# Altium PCB PCB.PcbDoc (part 9 of 10) (continued)
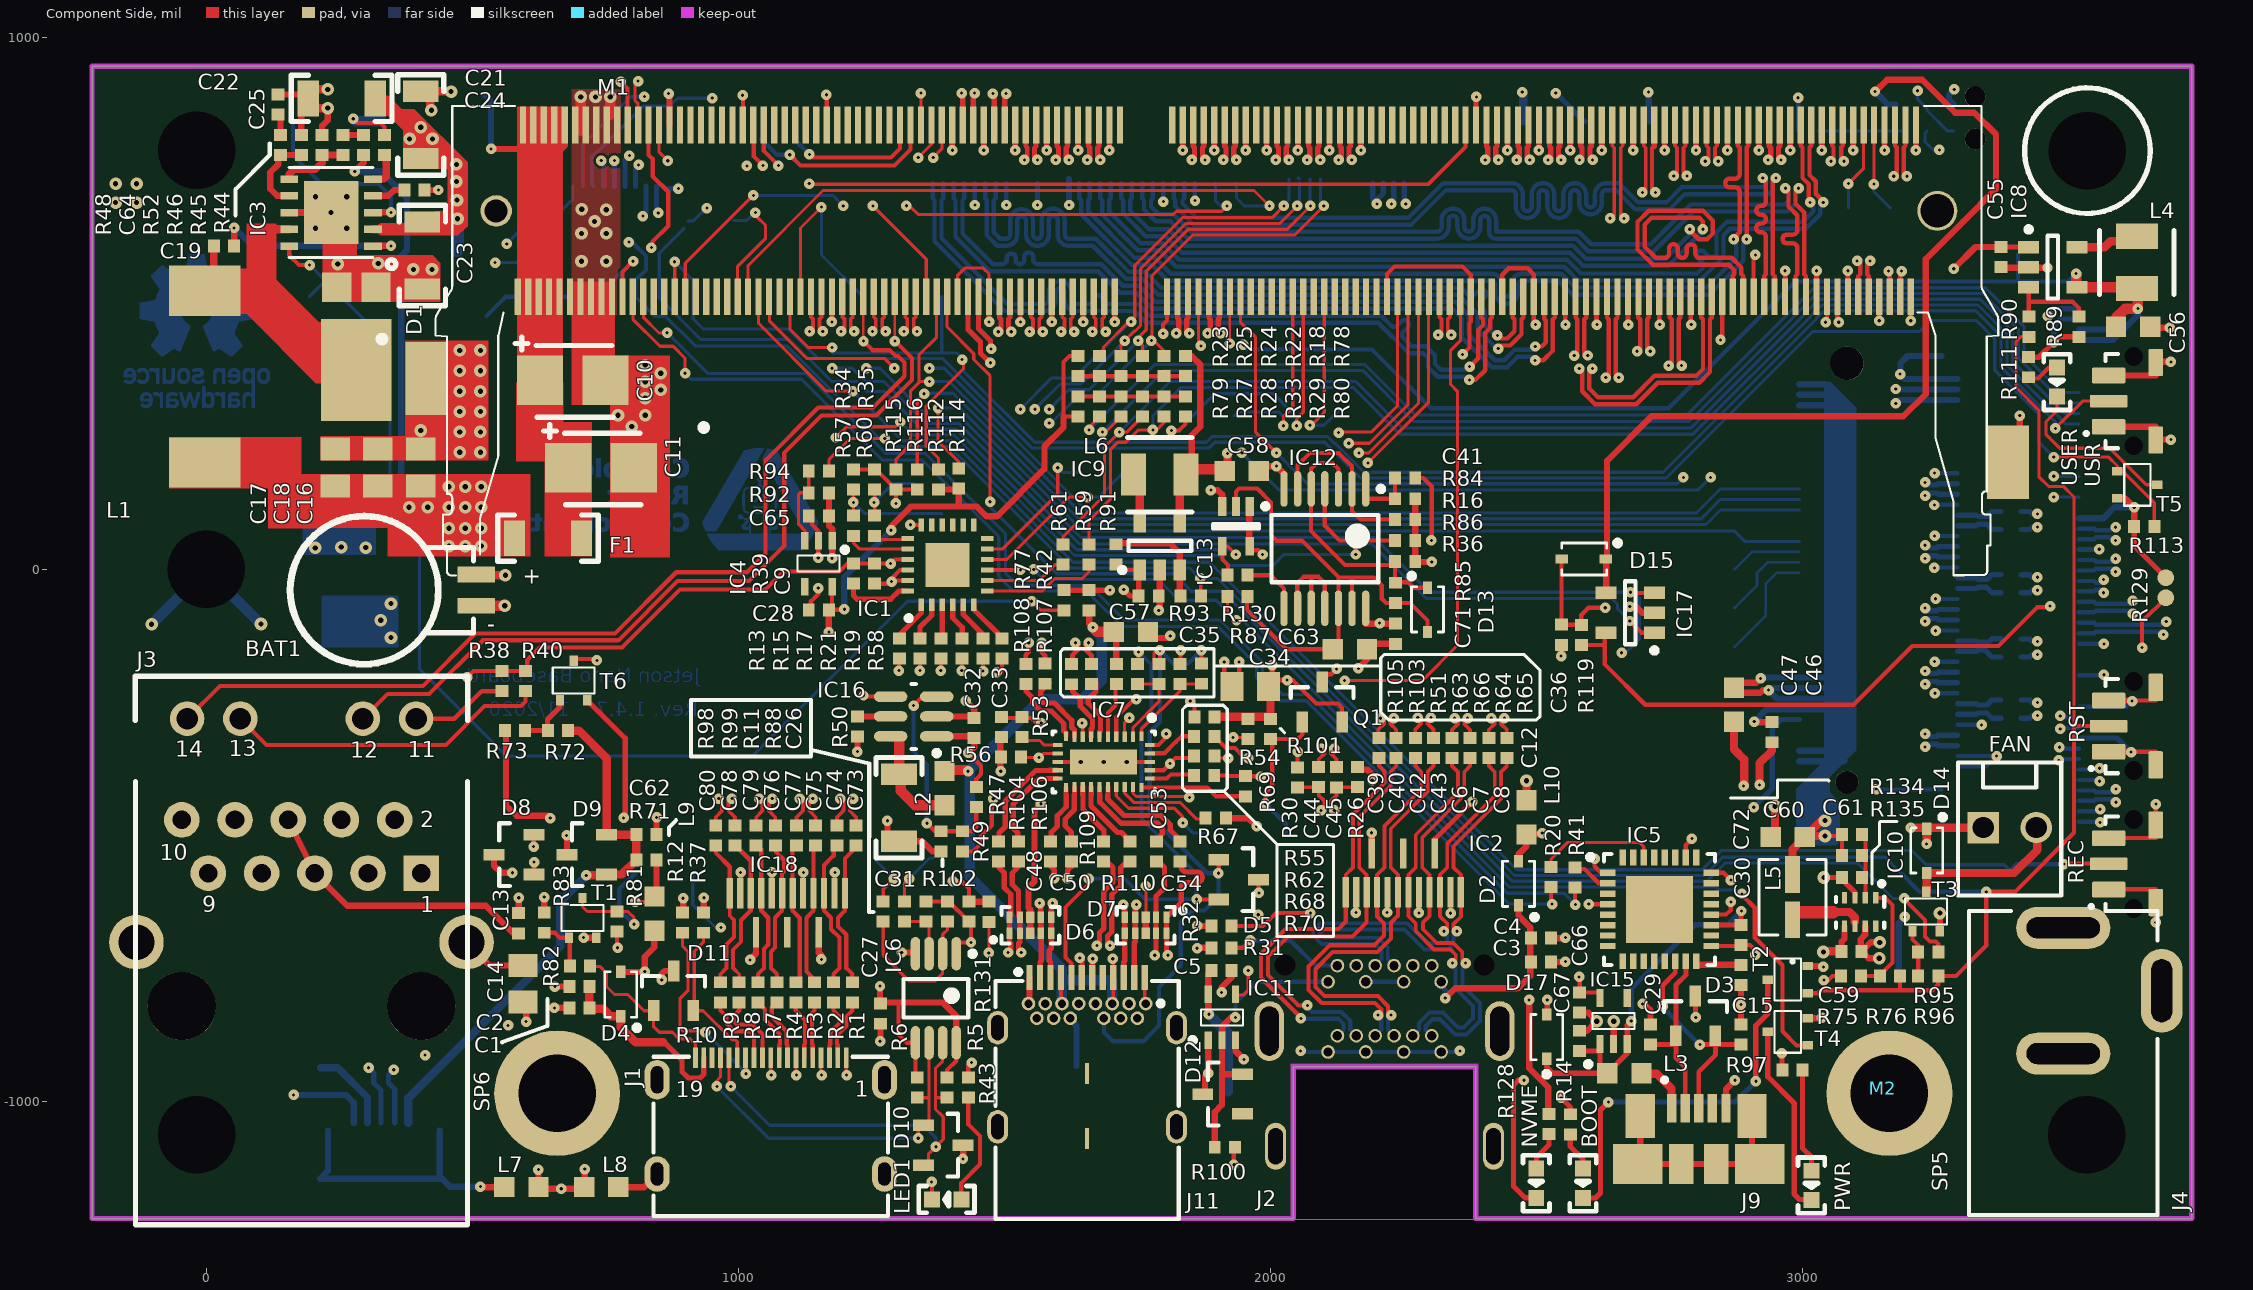
[diagram p0: Component Side view]
## Nets (pads, with @x,y where several pads share a name; then routed paths per layer and width w, separated by ;. In a path a pad name is that pad's centre, name@x,y a point inside that pad or via, vN(x,y) a via of type N, cw(c..) or ccw(c..) an arc to the next point about the centre after c; other vN are vias at no path point) (continued)
807.79,185.82 ; 782.37,186.51 807.79,186.51 ; 782.37,187.19 807.1,187.19 ; 782.37,187.88 806.42,187.88 ; 782.37,188.57 805.73,188.57 ; 782.37,189.26 804.36,189.26 ; 782.37,189.94 802.98,189.94 ; 782.37,190.63 799.55,190.63 ; 782.37,191.32 791.3,191.32 ; 782.37,192 791.3,192 ; 782.37,192.69 791.3,192.69 ; 782.37,193.38 791.99,193.38 ; 783.06,124.67 801.61,124.67 ; 783.06,147.35 800.92,147.35 ; 783.06,194.06 793.36,194.06 ; 783.06,194.75 806.42,194.75 ; 783.75,123.99 800.23,123.99 ; 783.75,195.44 806.42,195.44 ; 783.75,196.13 806.42,196.13 ; 784.43,148.03 799.55,148.03 ; 784.43,196.81 806.42,196.81 ; 785.12,123.3 798.86,123.3 ; 785.12,197.5 806.42,197.5 ; 785.81,148.72 798.17,148.72 ; 785.81,198.19 806.42,198.19 ; 786.49,198.87 806.42,198.87 ; 787.87,122.61 796.11,122.61 ; 787.87,199.56 805.04,199.56 ; 789.24,149.41 794.74,149.41 ; 790.62,200.25 800.92,200.25 ; 792.68,128.8 805.04,128.8 ; 792.68,175.51 805.73,175.51 ; 793.36,174.83 805.04,174.83 ; 794.05,142.54 805.04,142.54 ; 794.74,129.48 805.04,129.48 ; 794.74,174.14 803.67,174.14 ; 795.42,130.17 805.73,130.17 ; 795.42,141.85 805.73,141.85 ; 796.11,130.86 805.73,130.86 ; 796.11,131.54 805.73,131.54 ; 796.11,140.48 805.73,140.48 ; 796.11,141.16 805.73,141.16 ; 796.8,132.23 805.73,132.23 ; 796.8,132.92 806.42,132.92 ; 796.8,133.61 806.42,133.61 ; 796.8,134.29 806.42,134.29 ; 796.8,137.73 806.42,137.73 ; 796.8,138.41 806.42,138.41 ; 796.8,139.1 806.42,139.1 ; 796.8,139.79 805.73,139.79 ; 796.8,173.45 801.61,173.45 ; 796.8,185.13 807.79,185.13 ; 797.49,134.98 806.42,134.98 ; 797.49,135.67 806.42,135.67 ; 797.49,136.35 806.42,136.35 ; 797.49,137.04 806.42,137.04 ; 797.49,179.64 808.48,179.64 ; 798.17,72.46 806.42,72.46 ; 798.17,73.15 806.42,73.15 ; 798.17,73.83 806.42,73.83 ; 798.17,74.52 806.42,74.52 ; 798.17,75.21 806.42,75.21 ; 798.17,75.89 806.42,75.89 ; 798.17,76.58 806.42,76.58 ; 798.17,77.27 806.42,77.27 ; 798.17,77.96 806.42,77.96 ; 798.17,78.64 806.42,78.64 ; 798.17,79.33 806.42,79.33 ; 798.17,80.02 806.42,80.02 ; 798.17,80.7 806.42,80.7 ; 798.17,81.39 806.42,81.39 ; 798.17,82.08 806.42,82.08 ; 798.17,82.76 806.42,82.76 ; 798.17,83.45 806.42,83.45 ; 798.17,84.14 806.42,84.14 ; 798.17,84.83 806.42,84.83 ; 798.17,85.51 806.42,85.51 ; 798.17,86.2 806.42,86.2 ; 798.17,86.89 806.42,86.89 ; 798.17,87.57 806.42,87.57 ; 798.17,88.26 807.1,88.26 ; 798.17,88.95 807.1,88.95 ; 798.17,89.63 807.1,89.63 ; 798.17,90.32 807.1,90.32 ; 798.17,91.01 807.79,91.01 ; 798.17,91.7 839.4,91.7 ; 798.17,92.38 839.4,92.38 ; 798.17,184.45 808.48,184.45 ; 798.86,93.07 839.4,93.07 ; 798.86,93.76 839.4,93.76 ; 798.86,180.32 808.48,180.32 ; 798.86,183.76 808.48,183.76 ; 799.55,94.44 839.4,94.44 ; 799.55,95.13 814.66,95.13 ; 799.55,181.01 808.48,181.01 ; 799.55,181.7 808.48,181.7 ; 799.55,182.39 808.48,182.39 ; 799.55,183.07 808.48,183.07 ; 800.23,95.82 813.97,95.82 ; 800.92,96.51 813.29,96.51 ; 800.92,194.06 806.42,194.06 ; 801.61,97.19 811.91,97.19 ; 802.98,97.88 810.54,97.88 ; 803.67,193.38 806.42,193.38 ; 805.04,192.69 806.42,192.69 ; 809.85,132.23 819.47,132.23 ; 809.85,132.92 819.47,132.92 ; 809.85,133.61 818.78,133.61 ; 809.85,134.29 818.78,134.29 ; 809.85,134.98 818.78,134.98 ; 809.85,135.67 818.78,135.67 ; 809.85,136.35 818.78,136.35 ; 809.85,137.04 818.78,137.04 ; 809.85,137.73 818.78,137.73 ; 809.85,138.41 819.47,138.41 ; 809.85,139.1 819.47,139.1 ; 809.85,139.79 819.47,139.79 ; 810.54,129.48 821.53,129.48 ; 810.54,130.17 820.85,130.17 ; 810.54,130.86 820.16,130.86 ; 810.54,131.54 819.47,131.54 ; 810.54,140.48 820.16,140.48 ; 810.54,141.16 820.16,141.16 ; 810.54,141.85 820.85,141.85 ; 811.23,128.11 838.02,128.11 ; 811.23,128.8 838.02,128.8 ; 811.23,142.54 822.22,142.54 ; 811.23,143.22 838.02,143.22 ; 811.91,91.01 824.28,91.01 ; 811.91,127.42 838.02,127.42 ; 811.91,143.91 838.02,143.91 ; 811.91,144.6 838.02,144.6 ; 811.91,183.76 821.53,183.76 ; 811.91,184.45 821.53,184.45 ; 811.91,185.13 821.53,185.13 ; 811.91,185.82 820.85,185.82 ; 811.91,186.51 820.85,186.51 ; 811.91,187.19 820.85,187.19 ; 811.91,187.88 820.85,187.88 ; 811.91,188.57 821.53,188.57 ; 811.91,189.26 821.53,189.26 ; 811.91,189.94 821.53,189.94 ; 812.6,90.32 823.59,90.32 ; 812.6,126.05 838.02,126.05 ; 812.6,126.74 838.02,126.74 ; 812.6,145.29 838.02,145.29 ; 812.6,181.01 822.91,181.01 ; 812.6,181.7 822.22,181.7 ; 812.6,182.39 822.22,182.39 ; 812.6,183.07 821.53,183.07 ; 812.6,190.63 821.53,190.63 ; 812.6,191.32 822.22,191.32 ; 812.6,192 822.22,192 ; 812.6,192.69 822.91,192.69 ; 813.29,88.95 823.59,88.95 ; 813.29,89.63 823.59,89.63 ; 813.29,125.36 828.4,125.36 ; 813.29,145.97 838.02,145.97 ; 813.29,179.64 840.08,179.64 ; 813.29,180.32 824.28,180.32 ; 813.29,193.38 823.59,193.38 ; 813.29,194.06 840.08,194.06 ; 813.97,72.46 822.91,72.46 ; 813.97,73.15 822.91,73.15 ; 813.97,73.83 822.91,73.83 ; 813.97,74.52 822.91,74.52 ; 813.97,75.21 822.91,75.21 ; 813.97,75.89 822.91,75.89 ; 813.97,76.58 822.91,76.58 ; 813.97,77.27 822.91,77.27 ; 813.97,77.96 822.91,77.96 ; 813.97,78.64 822.91,78.64 ; 813.97,79.33 822.91,79.33 ; 813.97,80.02 822.91,80.02 ; 813.97,80.7 822.91,80.7 ; 813.97,81.39 822.91,81.39 ; 813.97,82.08 822.91,82.08 ; 813.97,82.76 822.91,82.76 ; 813.97,83.45 822.91,83.45 ; 813.97,84.14 822.91,84.14 ; 813.97,84.83 822.91,84.83 ; 813.97,85.51 822.91,85.51 ; 813.97,86.2 822.91,86.2 ; 813.97,86.89 822.91,86.89 ; 813.97,87.57 822.91,87.57 ; 813.97,88.26 822.91,88.26 ; 813.97,124.67 827.72,124.67 ; 813.97,146.66 828.4,146.66 ; 813.97,178.26 840.08,178.26 ; 813.97,178.95 840.08,178.95 ; 813.97,194.75 840.08,194.75 ; 813.97,195.44 840.08,195.44 ; 814.66,123.99 827.03,123.99 ; 814.66,147.35 827.72,147.35 ; 814.66,177.58 840.08,177.58 ; 814.66,196.13 840.08,196.13 ; 815.35,148.03 826.34,148.03 ; 815.35,176.89 840.08,176.89 ; 815.35,196.81 840.08,196.81 ; 815.35,197.5 830.46,197.5 ; 816.04,95.13 839.4,95.13 ; 816.04,123.3 825.65,123.3 ; 816.04,176.2 830.46,176.2 ; 816.04,198.19 829.78,198.19 ; 816.72,95.82 829.78,95.82 ; 816.72,148.72 825.65,148.72 ; 816.72,175.51 829.78,175.51 ; 817.41,96.51 829.09,96.51 ; 817.41,174.83 829.09,174.83 ; 817.41,198.87 829.09,198.87 ; 818.1,97.19 828.4,97.19 ; 818.1,122.61 824.28,122.61 ; 818.1,199.56 827.72,199.56 ; 818.78,149.41 822.91,149.41 ; 818.78,174.14 827.72,174.14 ; 819.47,97.88 827.03,97.88 ; 820.16,200.25 826.34,200.25 ; 820.85,173.45 825.65,173.45 ; 825.65,142.54 838.02,142.54 ; 826.34,129.48 838.02,129.48 ; 827.03,130.17 838.02,130.17 ; 827.03,141.85 838.02,141.85 ; 827.72,130.86 838.02,130.86 ; 827.72,140.48 838.02,140.48 ; 827.72,141.16 838.02,141.16 ; 828.4,91.01 839.4,91.01 ; 828.4,131.54 838.02,131.54 ; 828.4,132.23 838.02,132.23 ; 828.4,132.92 838.02,132.92 ; 828.4,133.61 838.02,133.61 ; 828.4,138.41 838.02,138.41 ; 828.4,139.1 838.02,139.1 ; 828.4,139.79 838.02,139.79 ; 828.4,180.32 840.08,180.32 ; 828.4,193.38 840.08,193.38 ; 829.09,89.63 839.4,89.63 ; 829.09,90.32 839.4,90.32 ; 829.09,123.3 838.02,123.3 ; 829.09,123.99 838.02,123.99 ; 829.09,124.67 838.02,124.67 ; 829.09,125.36 838.02,125.36 ; 829.09,134.29 838.02,134.29 ; 829.09,134.98 838.02,134.98 ; 829.09,135.67 838.02,135.67 ; 829.09,136.35 838.02,136.35 ; 829.09,137.04 838.02,137.04 ; 829.09,137.73 838.02,137.73 ; 829.09,146.66 838.02,146.66 ; 829.09,147.35 838.02,147.35 ; 829.09,148.03 838.02,148.03 ; 829.09,148.72 838.02,148.72 ; 829.09,149.41 838.02,149.41 ; 829.09,150.09 838.02,150.09 ; 829.09,150.78 838.02,150.78 ; 829.09,151.47 838.02,151.47 ; 829.09,152.16 838.02,152.16 ; 829.09,152.84 838.02,152.84 ; 829.09,153.53 838.02,153.53 ; 829.09,154.22 838.02,154.22 ; 829.09,154.9 838.02,154.9 ; 829.09,155.59 838.02,155.59 ; 829.09,156.28 838.02,156.28 ; 829.09,156.96 838.02,156.96 ; 829.09,157.65 838.02,157.65 ; 829.09,158.34 838.02,158.34 ; 829.09,181.01 840.08,181.01 ; 829.09,192.69 840.08,192.69 ; 829.78,88.26 839.4,88.26 ; 829.78,88.95 839.4,88.95 ; 829.78,181.7 840.08,181.7 ; 829.78,192 840.08,192 ; 830.46,72.46 839.4,72.46 ; 830.46,73.15 839.4,73.15 ; 830.46,73.83 839.4,73.83 ; 830.46,74.52 839.4,74.52 ; 830.46,75.21 839.4,75.21 ; 830.46,75.89 839.4,75.89 ; 830.46,76.58 839.4,76.58 ; 830.46,77.27 839.4,77.27 ; 830.46,77.96 839.4,77.96 ; 830.46,78.64 839.4,78.64 ; 830.46,79.33 839.4,79.33 ; 830.46,80.02 839.4,80.02 ; 830.46,80.7 839.4,80.7 ; 830.46,81.39 839.4,81.39 ; 830.46,82.08 839.4,82.08 ; 830.46,82.76 839.4,82.76 ; 830.46,83.45 839.4,83.45 ; 830.46,84.14 839.4,84.14 ; 830.46,84.83 839.4,84.83 ; 830.46,85.51 839.4,85.51 ; 830.46,86.2 839.4,86.2 ; 830.46,86.89 839.4,86.89 ; 830.46,87.57 839.4,87.57 ; 830.46,95.82 839.4,95.82 ; 830.46,96.51 839.4,96.51 ; 830.46,97.19 839.4,97.19 ; 830.46,182.39 840.08,182.39 ; 830.46,183.07 840.08,183.07 ; 830.46,183.76 840.08,183.76 ; 830.46,189.94 840.08,189.94 ; 830.46,190.63 840.08,190.63 ; 830.46,191.32 840.08,191.32 ; 831.15,164.52 840.08,164.52 ; 831.15,165.21 840.08,165.21 ; 831.15,165.9 840.08,165.9 ; 831.15,166.58 840.08,166.58 ; 831.15,167.27 840.08,167.27 ; 831.15,167.96 840.08,167.96 ; 831.15,168.64 840.08,168.64 ; 831.15,169.33 840.08,169.33 ; 831.15,170.02 840.08,170.02 ; 831.15,170.71 840.08,170.71 ; 831.15,171.39 840.08,171.39 ; 831.15,172.08 840.08,172.08 ; 831.15,172.77 840.08,172.77 ; 831.15,173.45 840.08,173.45 ; 831.15,174.14 840.08,174.14 ; 831.15,174.83 840.08,174.83 ; 831.15,175.51 840.08,175.51 ; 831.15,176.2 840.08,176.2 ; 831.15,184.45 840.08,184.45 ; 831.15,185.13 840.08,185.13 ; 831.15,185.82 840.08,185.82 ; 831.15,186.51 840.08,186.51 ; 831.15,187.19 840.08,187.19 ; 831.15,187.88 840.08,187.88 ; 831.15,188.57 840.08,188.57 ; 831.15,189.26 840.08,189.26 ; 831.15,197.5 840.08,197.5 ; 831.15,198.19 840.08,198.19 ; 831.15,198.87 840.08,198.87 ; 831.15,199.56 840.08,199.56 ; 842.83,133.61 852.45,133.61 ; 842.83,134.29 852.45,134.29 ; 842.83,134.98 852.45,134.98 ; 842.83,135.67 852.45,135.67 ; 842.83,136.35 852.45,136.35 ; 842.83,137.04 852.45,137.04 ; 842.83,137.73 852.45,137.73 ; 842.83,138.41 852.45,138.41 ; 843.52,130.86 853.14,130.86 ; 843.52,131.54 853.14,131.54 ; 843.52,132.23 852.45,132.23 ; 843.52,132.92 852.45,132.92 ; 843.52,139.1 852.45,139.1 ; 843.52,139.79 853.14,139.79 ; 843.52,140.48 853.14,140.48 ; 843.52,141.16 853.82,141.16 ; 844.2,128.8 856.57,128.8 ; 844.2,129.48 854.51,129.48 ; 844.2,130.17 853.82,130.17 ; 844.2,141.85 854.51,141.85 ; 844.2,142.54 855.2,142.54 ; 844.89,80.7 854.51,80.7 ; 844.89,81.39 854.51,81.39 ; 844.89,82.08 853.82,82.08 ; 844.89,82.76 853.82,82.76 ; 844.89,83.45 853.82,83.45 ; 844.89,84.14 853.82,84.14 ; 844.89,84.83 853.82,84.83 ; 844.89,85.51 853.82,85.51 ; 844.89,86.2 853.82,86.2 ; 844.89,86.89 853.82,86.89 ; 844.89,87.57 853.82,87.57 ; 844.89,88.26 854.51,88.26 ; 844.89,88.95 854.51,88.95 ; 844.89,128.11 869.63,128.11 ; 844.89,143.22 870.31,143.22 ; 844.89,143.91 869.63,143.91 ; 845.58,78.64 855.88,78.64 ; 845.58,79.33 855.2,79.33 ; 845.58,80.02 855.2,80.02 ; 845.58,89.63 855.2,89.63 ; 845.58,90.32 855.2,90.32 ; 845.58,91.01 855.88,91.01 ; 845.58,126.74 868.94,126.74 ; 845.58,127.42 869.63,127.42 ; 845.58,144.6 868.94,144.6 ; 846.27,77.27 871.69,77.27 ; 846.27,77.96 857.26,77.96 ; 846.27,91.7 857.26,91.7 ; 846.27,92.38 871.69,92.38 ; 846.27,126.05 868.25,126.05 ; 846.27,145.29 868.25,145.29 ; 846.95,76.58 871,76.58 ; 846.95,93.07 871,93.07 ; 846.95,125.36 867.56,125.36 ; 846.95,145.97 868.25,145.97 ; 846.95,174.14 855.88,174.14 ; 846.95,174.83 855.88,174.83 ; 846.95,175.51 855.88,175.51 ; 846.95,176.2 855.88,176.2 ; 846.95,176.89 871.69,176.89 ; 846.95,177.58 872.37,177.58 ; 846.95,178.26 872.37,178.26 ; 846.95,178.95 873.06,178.95 ; 846.95,179.64 859.32,179.64 ; 846.95,180.32 857.95,180.32 ; 846.95,181.01 857.26,181.01 ; 846.95,181.7 856.57,181.7 ; 846.95,182.39 856.57,182.39 ; 846.95,183.07 855.88,183.07 ; 846.95,183.76 855.88,183.76 ; 846.95,184.45 855.88,184.45 ; 846.95,185.13 855.88,185.13 ; 846.95,185.82 872.37,185.82 ; 846.95,186.51 872.37,186.51 ; 846.95,187.19 871.69,187.19 ; 846.95,187.88 871,187.88 ; 846.95,188.57 870.31,188.57 ; 846.95,189.26 869.63,189.26 ; 846.95,189.94 867.56,189.94 ; 846.95,190.63 864.13,190.63 ; 846.95,191.32 855.88,191.32 ; 846.95,192 855.88,192 ; 846.95,192.69 856.57,192.69 ; 847.64,75.21 870.31,75.21 ; 847.64,75.89 870.31,75.89 ; 847.64,93.76 870.31,93.76 ; 847.64,94.44 870.31,94.44 ; 847.64,146.66 866.88,146.66 ; 847.64,193.38 856.57,193.38 ; 847.64,194.06 857.95,194.06 ; 847.64,194.75 871,194.75 ; 848.33,74.52 869.63,74.52 ; 848.33,95.13 869.63,95.13 ; 848.33,124.67 866.88,124.67 ; 848.33,147.35 866.19,147.35 ; 848.33,195.44 871,195.44 ; 848.33,196.13 871,196.13 ; 849.01,123.99 865.5,123.99 ; 849.01,196.81 871,196.81 ; 849.7,73.83 868.25,73.83 ; 849.7,95.82 868.25,95.82 ; 849.7,148.03 864.82,148.03 ; 849.7,197.5 871,197.5 ; 850.39,73.15 867.56,73.15 ; 850.39,96.51 867.56,96.51 ; 850.39,123.3 864.13,123.3 ; 850.39,198.19 871,198.19 ; 851.08,148.72 863.44,148.72 ; 851.76,72.46 866.19,72.46 ; 851.76,97.19 866.19,97.19 ; 851.76,198.87 871,198.87 ; 853.14,122.61 861.38,122.61 ; 853.14,199.56 869.63,199.56 ; 853.82,71.77 864.13,71.77 ; 853.82,97.88 864.13,97.88 ; 854.51,149.41 860.01,149.41 ; 855.88,200.25 865.5,200.25 ; 856.57,176.2 871,176.2 ; 857.26,175.51 871,175.51 ; 857.95,128.8 870.31,128.8 ; 857.95,174.83 869.63,174.83 ; 859.32,142.54 870.31,142.54 ; 859.32,174.14 868.25,174.14 ; 860.01,129.48 870.31,129.48 ; 860.69,77.96 871.69,77.96 ; 860.69,91.7 871.69,91.7 ; 860.69,130.17 871,130.17 ; 860.69,141.85 870.31,141.85 ; 861.38,130.86 871,130.86 ; 861.38,131.54 871,131.54 ; 861.38,140.48 871,140.48 ; 861.38,141.16 871,141.16 ; 861.38,173.45 866.19,173.45 ; 861.38,185.13 873.06,185.13 ; 862.07,78.64 872.37,78.64 ; 862.07,91.01 872.37,91.01 ; 862.07,132.23 871,132.23 ; 862.07,132.92 871.69,132.92 ; 862.07,133.61 871.69,133.61 ; 862.07,134.29 871.69,134.29 ; 862.07,137.73 871.69,137.73 ; 862.07,138.41 871.69,138.41 ; 862.07,139.1 871.69,139.1 ; 862.07,139.79 871,139.79 ; 862.07,179.64 873.06,179.64 ; 862.75,79.33 872.37,79.33 ; 862.75,80.02 872.37,80.02 ; 862.75,89.63 872.37,89.63 ; 862.75,90.32 872.37,90.32 ; 862.75,134.98 871.69,134.98 ; 862.75,135.67 871.69,135.67 ; 862.75,136.35 871.69,136.35 ; 862.75,137.04 871.69,137.04 ; 863.44,80.7 873.06,80.7 ; 863.44,81.39 873.06,81.39 ; 863.44,88.26 873.06,88.26 ; 863.44,88.95 873.06,88.95 ; 863.44,180.32 873.06,180.32 ; 863.44,184.45 873.06,184.45 ; 864.13,82.08 873.06,82.08 ; 864.13,82.76 873.06,82.76 ; 864.13,83.45 873.06,83.45 ; 864.13,84.14 873.06,84.14 ; 864.13,84.83 873.06,84.83 ; 864.13,85.51 873.06,85.51 ; 864.13,86.2 873.06,86.2 ; 864.13,86.89 873.06,86.89 ; 864.13,87.57 873.06,87.57 ; 864.13,181.01 873.06,181.01 ; 864.13,181.7 873.06,181.7 ; 864.13,182.39 873.06,182.39 ; 864.13,183.07 873.06,183.07 ; 864.13,183.76 873.06,183.76 ; 866.19,194.06 871,194.06 ; 868.25,193.38 871,193.38 ; 869.63,192.69 871,192.69 ; 873.75,123.3 884.05,123.3 ; 873.75,123.99 884.05,123.99 ; 874.43,124.67 884.74,124.67 ; 874.43,125.36 884.74,125.36 ; 875.12,126.05 885.43,126.05 ; 875.12,126.74 885.43,126.74 ; 875.81,127.42 886.11,127.42 ; 875.81,128.11 886.11,128.11 ; 876.5,128.8 886.8,128.8 ; 876.5,129.48 886.8,129.48 ; 877.18,130.17 887.49,130.17 ; 877.18,130.86 887.49,130.86 ; 877.87,73.83 899.17,73.83 ; 877.87,74.52 900.54,74.52 ; 877.87,75.21 901.23,75.21 ; 877.87,75.89 901.92,75.89 ; 877.87,76.58 902.6,76.58 ; 877.87,77.27 903.29,77.27 ; 877.87,77.96 903.98,77.96 ; 877.87,78.64 884.05,78.64 ; 877.87,79.33 881.99,79.33 ; 877.87,80.02 880.62,80.02 ; 877.87,80.7 879.24,80.7 ; 877.87,97.19 879.24,97.19 ; 877.87,97.88 879.93,97.88 ; 877.87,98.57 881.3,98.57 ; 877.87,99.25 883.37,99.25 ; 877.87,99.94 903.98,99.94 ; 877.87,100.63 903.29,100.63 ; 877.87,101.31 902.6,101.31 ; 877.87,102 902.6,102 ; 877.87,102.69 901.23,102.69 ; 877.87,103.38 900.54,103.38 ; 877.87,104.06 899.85,104.06 ; 877.87,131.54 888.18,131.54 ; 877.87,132.23 888.18,132.23 ; 877.87,147.35 887.49,147.35 ; 877.87,148.03 888.18,148.03 ; 877.87,148.72 888.18,148.72 ; 877.87,176.2 899.85,176.2 ; 877.87,176.89 900.54,176.89 ; 877.87,177.58 901.92,177.58 ; 877.87,178.26 902.6,178.26 ; 877.87,178.95 903.29,178.95 ; 877.87,179.64 903.29,179.64 ; 877.87,180.32 886.8,180.32 ; 877.87,181.01 883.37,181.01 ; 877.87,181.7 881.3,181.7 ; 877.87,182.39 879.93,182.39 ; 877.87,183.07 878.56,183.07 ; 877.87,199.56 879.24,199.56 ; 877.87,200.25 880.62,200.25 ; 877.87,200.94 881.99,200.94 ; 877.87,201.62 884.05,201.62 ; 877.87,202.31 903.98,202.31 ; 877.87,203 903.29,203 ; 877.87,203.68 902.6,203.68 ; 877.87,204.37 901.92,204.37 ; 877.87,205.06 901.23,205.06 ; 877.87,205.74 900.54,205.74 ; 877.87,206.43 899.17,206.43 ; 878.56,73.15 898.48,73.15 ; 878.56,104.75 898.48,104.75 ; 878.56,132.92 888.86,132.92 ; 878.56,133.61 889.55,133.61 ; 878.56,143.91 888.18,143.91 ; 878.56,144.6 888.18,144.6 ; 878.56,145.29 887.49,145.29 ; 878.56,145.97 887.49,145.97 ; 878.56,146.66 887.49,146.66 ; 878.56,149.41 888.86,149.41 ; 878.56,150.09 890.24,150.09 ; 878.56,150.78 905.35,150.78 ; 878.56,151.47 905.35,151.47 ; 878.56,175.51 898.48,175.51 ; 879.24,134.29 890.24,134.29 ; 879.24,142.54 890.92,142.54 ; 879.24,143.22 888.86,143.22 ; 879.24,152.16 905.35,152.16 ; 879.24,152.84 905.35,152.84 ; 879.24,207.12 897.79,207.12 ; 879.93,105.44 897.11,105.44 ; 879.93,134.98 890.92,134.98 ; 879.93,135.67 893.67,135.67 ; 879.93,141.85 905.35,141.85 ; 879.93,153.53 905.35,153.53 ; 879.93,174.83 897.11,174.83 ; 880.62,72.46 896.42,72.46 ; 880.62,136.35 905.35,136.35 ; 880.62,141.16 905.35,141.16 ; 880.62,154.22 905.35,154.22 ; 880.62,207.81 896.42,207.81 ; 881.3,137.04 905.35,137.04 ; 881.3,140.48 905.35,140.48 ; 881.3,154.9 905.35,154.9 ; 881.99,106.12 895.05,106.12 ; 881.99,137.73 905.35,137.73 ; 881.99,139.79 905.35,139.79 ; 881.99,155.59 905.35,155.59 ; 881.99,174.14 895.05,174.14 ; 882.68,71.77 894.36,71.77 ; 882.68,138.41 905.35,138.41 ; 883.37,139.1 905.35,139.1 ; 883.37,156.28 905.35,156.28 ; 883.37,208.49 893.67,208.49 ; 885.43,173.45 891.61,173.45 ; 886.11,106.81 890.92,106.81 ; 886.11,156.96 905.35,156.96 ; 888.18,180.32 903.98,180.32 ; 890.92,78.64 904.66,78.64 ; 890.92,201.62 904.66,201.62 ; 891.61,99.25 904.66,99.25 ; 891.61,181.01 904.66,181.01 ; 892.3,79.33 904.66,79.33 ; 892.3,200.94 904.66,200.94 ; 892.98,98.57 904.66,98.57 ; 892.98,181.7 904.66,181.7 ; 893.67,80.02 905.35,80.02 ; 893.67,97.88 905.35,97.88 ; 893.67,182.39 905.35,182.39 ; 893.67,200.25 905.35,200.25 ; 894.36,80.7 905.35,80.7 ; 894.36,97.19 905.35,97.19 ; 894.36,183.07 905.35,183.07 ; 894.36,199.56 905.35,199.56 ; 895.05,81.39 906.04,81.39 ; 895.05,96.51 906.04,96.51 ; 895.05,183.76 906.04,183.76 ; 895.05,198.87 906.04,198.87 ; 895.73,82.08 906.04,82.08 ; 895.73,82.76 906.04,82.76 ; 895.73,95.13 906.04,95.13 ; 895.73,95.82 906.04,95.82 ; 895.73,123.3 905.35,123.3 ; 895.73,123.99 905.35,123.99 ; 895.73,124.67 905.35,124.67 ; 895.73,125.36 905.35,125.36 ; 895.73,126.05 905.35,126.05 ; 895.73,126.74 905.35,126.74 ; 895.73,127.42 905.35,127.42 ; 895.73,128.11 905.35,128.11 ; 895.73,128.8 905.35,128.8 ; 895.73,129.48 905.35,129.48 ; 895.73,130.17 905.35,130.17 ; 895.73,130.86 905.35,130.86 ; 895.73,131.54 905.35,131.54 ; 895.73,132.23 905.35,132.23 ; 895.73,132.92 905.35,132.92 ; 895.73,133.61 905.35,133.61 ; 895.73,134.29 905.35,134.29 ; 895.73,134.98 905.35,134.98 ; 895.73,135.67 905.35,135.67 ; 895.73,142.54 905.35,142.54 ; 895.73,143.22 905.35,143.22 ; 895.73,143.91 905.35,143.91 ; 895.73,144.6 905.35,144.6 ; 895.73,145.29 905.35,145.29 ; 895.73,145.97 905.35,145.97 ; 895.73,146.66 905.35,146.66 ; 895.73,147.35 905.35,147.35 ; 895.73,148.03 905.35,148.03 ; 895.73,148.72 905.35,148.72 ; 895.73,149.41 905.35,149.41 ; 895.73,150.09 905.35,150.09 ; 895.73,184.45 906.04,184.45 ; 895.73,185.13 906.04,185.13 ; 895.73,197.5 906.04,197.5 ; 895.73,198.19 906.04,198.19 ; 896.42,83.45 906.73,83.45 ; 896.42,84.14 906.73,84.14 ; 896.42,84.83 906.73,84.83 ; 896.42,93.76 906.73,93.76 ; 896.42,94.44 906.73,94.44 ; 896.42,185.82 906.73,185.82 ; 896.42,186.51 906.73,186.51 ; 896.42,195.44 906.73,195.44 ; 896.42,196.13 906.73,196.13 ; 896.42,196.81 906.73,196.81 ; 897.11,85.51 906.73,85.51 ; 897.11,86.2 906.73,86.2 ; 897.11,86.89 906.73,86.89 ; 897.11,87.57 906.73,87.57 ; 897.11,88.26 906.73,88.26 ; 897.11,88.95 906.73,88.95 ; 897.11,89.63 906.73,89.63 ; 897.11,90.32 906.73,90.32 ; 897.11,91.01 906.73,91.01 ; 897.11,91.7 906.73,91.7 ; 897.11,92.38 906.73,92.38 ; 897.11,93.07 906.73,93.07 ; 897.11,187.19 906.73,187.19 ; 897.11,187.88 906.73,187.88 ; 897.11,188.57 906.73,188.57 ; 897.11,189.26 906.73,189.26 ; 897.11,189.94 906.73,189.94 ; 897.11,190.63 906.73,190.63 ; 897.11,191.32 906.73,191.32 ; 897.11,192 906.73,192 ; 897.11,192.69 906.73,192.69 ; 897.11,193.38 906.73,193.38 ; 897.11,194.06 906.73,194.06 ; 897.11,194.75 906.73,194.75
  Solder Side w4.06: 1006.65,97.49 1012.81,94.41 1019.12,94.41 ; 1009.44,120.55 1009.44,138.93 ; 1030.12,117.75 1030.19,117.73 1030.26,117.7 1030.37,117.67 1030.51,117.64 1030.7,117.58 1030.98,117.51 1031.4,117.41 1032.11,117.24 ccw(c1040.61,155.76) 1036.09,116.57 ccw(c1040.5,154.46) 1040.46,116.32 ccw(c1040.35,155.55) 1048.41,117.15 1049.39,117.37 1049.89,117.5 1050.2,117.58 1050.41,117.64 1050.56,117.68 1050.67,117.71 1050.75,117.73 1050.81,117.75 ; 1040.46,166.33 1040.46,157.38 ; 1061.13,94.41 1067.95,94.41 1074.11,97.49 ; 1071.52,120.55 1071.52,138.93 ; 1001.64,97.85 cw(c1004.22,98.71) 1003.36,101.29 ; 1001.64,97.85 ccw(c1004.22,98.71) 1005.08,96.13 ; 1001.64,97.85 cw(c1004.22,98.71) 1003.36,101.29 ; 1001.64,97.85 ccw(c1004.22,98.71) 1005.08,96.13 ; 1003.36,101.29 cw(c1004.22,98.71) 1006.8,99.57 ; 1003.36,101.29 cw(c1004.22,98.71) 1006.8,99.57 ; 1005.08,96.13 ccw(c1004.22,98.71) 1006.8,99.57 ; 1005.08,96.13 ccw(c1004.22,98.71) 1006.8,99.57 ; 1038.67,167.08 ccw(c1040.46,168.87) 1042.25,167.08 ; 1038.67,167.08 cw(c1040.46,168.87) 1038.67,170.66 ; 1038.67,167.08 ccw(c1040.46,168.87) 1042.25,167.08 ; 1038.67,167.08 cw(c1040.46,168.87) 1038.67,170.66 ; 1038.67,170.66 cw(c1040.46,168.87) 1042.25,170.66 ; 1038.67,170.66 cw(c1040.46,168.87) 1042.25,170.66 ; 1040.46,157.38 cw(c1040.47,147.34) 1042.62,157.14 cw(c1040.69,148.38) 1043.52,156.9 cw(c1040.95,149.17) 1044.21,156.63 cw(c1041.25,149.85) 1044.8,156.34 1045.3,156.04 1045.63,155.8 1045.94,155.55 1046.22,155.28 1046.48,154.98 cw(c1043.24,152.35) 1046.72,154.65 cw(c1043.56,152.56) 1046.95,154.27 cw(c1043.88,152.72) 1047.15,153.76 cw(c1044.18,152.81) 1047.3,152.81 1033.61,152.81 cw(c1036.78,152.81) 1033.83,153.96 cw(c1037.17,152.66) 1034.07,154.46 cw(c1037.52,152.46) 1034.33,154.85 cw(c1037.88,152.19) 1034.61,155.19 cw(c1038.25,151.86) 1034.92,155.49 1035.25,155.77 1035.61,156.04 cw(c1039.38,150.39) 1036.21,156.39 cw(c1039.74,149.71) 1036.88,156.71 cw(c1040.06,148.92) 1037.7,156.99 cw(c1040.33,147.99) 1038.89,157.26 cw(c1040.45,147.2) 1040.46,157.38 ; 1042.25,167.08 ccw(c1040.46,168.87) 1042.25,170.66 ; 1042.25,167.08 ccw(c1040.46,168.87) 1042.25,170.66 ; 1073.96,99.57 ccw(c1076.54,98.71) 1075.68,96.13 ; 1073.96,99.57 cw(c1076.54,98.71) 1077.4,101.29 ; 1073.96,99.57 ccw(c1076.54,98.71) 1075.68,96.13 ; 1073.96,99.57 cw(c1076.54,98.71) 1077.4,101.29 ; 1075.68,96.13 ccw(c1076.54,98.71) 1079.12,97.85 ; 1075.68,96.13 ccw(c1076.54,98.71) 1079.12,97.85 ; 1077.4,101.29 cw(c1076.54,98.71) 1079.12,97.85 ; 1077.4,101.29 cw(c1076.54,98.71) 1079.12,97.85 ; 1008.06,80.12 ccw(c1011.76,80.14) 1011.74,76.44 1022,76.44 1022,78.89 1011.74,78.89 cw(c1011.72,80.1) 1010.58,79.69 cw(c1011.78,80.12) 1010.51,80.12 cw(c1011.74,80.12) 1010.77,80.88 1022,95.18 1022,99.14 1008.84,82.4 ccw(c1011.74,80.12) 1008.06,80.12 ; 1010.8,114.03 ccw(c1017.65,114.04) 1017.65,107.19 1063.27,107.19 ccw(c1063.27,114.04) 1070.11,114.03 1070.11,145.97 ccw(c1063.27,145.97) 1063.27,152.81 1017.65,152.81 ccw(c1017.65,145.97) 1010.8,145.97 1010.8,114.03 ; 1022,57.56 ccw(c1025.94,57.56) 1025.94,53.62 1054.82,53.62 ccw(c1054.82,57.56) 1058.76,57.56 1058.76,102.2 ccw(c1054.82,102.2) 1054.82,106.14 1025.94,106.14 ccw(c1025.94,102.2) 1022,102.2 1022,57.56 ; 1024.21,129.73 cw(c1029.05,134.57) 1024.21,139.4 cw(c1029.05,134.57) 1033.89,139.4 cw(c1029.05,134.57) 1033.89,129.73 cw(c1029.05,134.57) 1024.21,129.73 ; 1027.49,106.14 1030.61,106.14 1031.44,107.19 1028.32,107.19 1027.49,106.14 ; 1047.03,129.73 cw(c1051.86,134.57) 1047.03,139.4 cw(c1051.86,134.57) 1056.7,139.4 cw(c1051.86,134.57) 1056.7,129.73 cw(c1051.86,134.57) 1047.03,129.73 ; 1049.32,107.19 1050.15,106.14 1053.27,106.14 1052.44,107.19 1049.32,107.19 ; 1058.76,76.44 1069.02,76.44 ccw(c1069.02,80.12) 1071.3,77.23 ccw(c1069,80.13) 1071.92,82.4 1058.76,99.14 1058.76,95.18 1069.99,80.88 cw(c1069.05,80.12) 1070.09,79.49 cw(c1069,80.16) 1069.78,79.16 cw(c1069.03,80.12) 1069.02,78.89 1058.76,78.89 1058.76,76.44

## Polygon pours and split planes (outlines as drawn)
no net on Bottom Solder "AntmicroLogoO" (solid, pour order 85): 33 vertices, not listed, extent 487.74,-165.85 543.98,-92.06
no net on Bottom Solder "AntmicroLogo" (solid, pour order 67): 319 vertices, not listed, extent 951.67,-230.49 1129.96,-26.27
no net on Bottom Solder "AntmicroLogoA" (solid, pour order 71): 34 vertices, not listed, extent 878.61,-165.85 929.31,-92.06
no net on Bottom Solder "AntmicroLogoR" (solid, pour order 83): 576.14,-164.52 576.14,-97.07 565.53,-93.42 551.85,-92.06 548,-92.2 545.64,-92.44 548.28,-101.16 551.71,-100.26 555.54,-99.97 560.28,-100.4 564.52,-101.82 564.52,-164.52
no net on Bottom Solder "AntmicroLogoM" (solid, pour order 77): 113 vertices, not listed, extent -1036.56,-365.02 760.53,-91.95
no net on Bottom Solder "AntmicroLogoT" (solid, pour order 75): 24 vertices, not listed, extent 771.24,-165.19 803.45,-73.44
no net on Bottom Solder "AntmicroLogoC" (solid, pour order 81): 39 vertices, not listed, extent 587.34,-165.85 630.91,-92.06
no net on Bottom Solder "AntmicroLogoN" (solid, pour order 73): 19 vertices, not listed, extent 811.24,-164.52 863,-92.06
no net on Bottom Solder "AntmicroLogo" (solid, pour order 69): 205 vertices, not listed, extent -727.21,-358.25 1073.4,-86.55
no net on Bottom Solder "AntmicroLogoI" (solid, pour order 79): 653.34,-164.52 641.72,-164.52 641.72,-93.37 653.34,-93.37
no net on Solder Side "AntmicroLogo" (solid, pour order 67): 319 vertices, not listed, extent 951.68,-230.42 1129.98,-26.2
no net on Solder Side "AntmicroLogoO" (solid, pour order 85): 33 vertices, not listed, extent 487.76,-165.79 544,-91.99
no net on Solder Side "AntmicroLogoR" (solid, pour order 83): 576.16,-164.46 576.16,-97 565.55,-93.36 551.87,-91.99 548.02,-92.13 545.66,-92.38 548.3,-101.1 551.73,-100.2 555.56,-99.9 560.29,-100.33 564.54,-101.76 564.54,-164.46
no net on Solder Side "AntmicroLogoC" (solid, pour order 81): 39 vertices, not listed, extent 587.36,-165.79 630.93,-91.99
no net on Solder Side "AntmicroLogoM" (solid, pour order 77): 113 vertices, not listed, extent -1036.56,-365.02 760.55,-91.89
no net on Solder Side "AntmicroLogoT" (solid, pour order 75): 24 vertices, not listed, extent 771.26,-165.12 803.47,-73.37
no net on Solder Side "AntmicroLogoA" (solid, pour order 71): 34 vertices, not listed, extent 878.63,-165.79 929.33,-91.99
no net on Solder Side "AntmicroLogo" (solid, pour order 69): 205 vertices, not listed, extent -727.21,-358.25 1073.42,-86.48
no net on Solder Side "AntmicroLogoI" (solid, pour order 79): 653.35,-164.46 641.74,-164.46 641.74,-93.31 653.35,-93.31
no net on Solder Side "AntmicroLogoN" (solid, pour order 73): 19 vertices, not listed, extent 811.26,-164.46 863.01,-91.99
GND on Component Side "Top-No Net" (solid, pour order 13): 778.87,902.44 687.11,902.44 687.11,488.52 677.7,478.32 678.59,477.36 777.72,477.36 778.2,477.88 778.2,507.18
3V3_SYS on Signal 3 "3V3_SYS" (solid, remove dead copper, pour order 12): 22 vertices, not listed, extent 1166.33,-717 3071.33,149.32
VIN on PWR (split plane): 87 vertices, not listed, extent -194.46,-1199.9 3711.23,925.26
5V0_SYS on PWR (split plane): 97 vertices, not listed, extent -194.46,-1199.9 3487.37,698.05
HDMI_SHIELD on GND1 (split plane): 878.59,-905.04 878.98,-906.96 880.06,-908.59 881.69,-909.67 883.61,-910.06 1306.73,-910.06 1311.66,-914.99 1311.66,-1199.9 813.83,-1199.9 813.83,-908.97 813.83,-795.88 878.59,-795.88
EGND on GND1 (split plane): 542.28,-1171.09 513.46,-1199.9 -194.46,-1199.9 -194.46,-236.83 542.28,-236.83
GND on GND1 (split plane): 64 vertices, not listed, extent -194.46,-1199.9 3711.23,925.26
HDMI_SHIELD on GND2 (split plane): 878.59,-905.04 878.98,-906.96 880.06,-908.59 881.69,-909.67 883.61,-910.06 1306.73,-910.06 1311.66,-914.99 1311.66,-1199.9 813.83,-1199.9 813.83,-908.97 813.83,-795.88 878.59,-795.88
EGND on GND2 (split plane): 542.28,-1171.09 513.46,-1199.9 -194.46,-1199.9 -194.46,-236.83 542.28,-236.83
GND on GND2 (split plane): 63 vertices, not listed, extent -194.46,-1199.9 3711.23,925.26

## Keep-outs
Keep-Out Layer:
  the board outline again, w9.84